# Altium PCB Fastino-DIOT.PCBDOC (part 21 of 22) (continued)
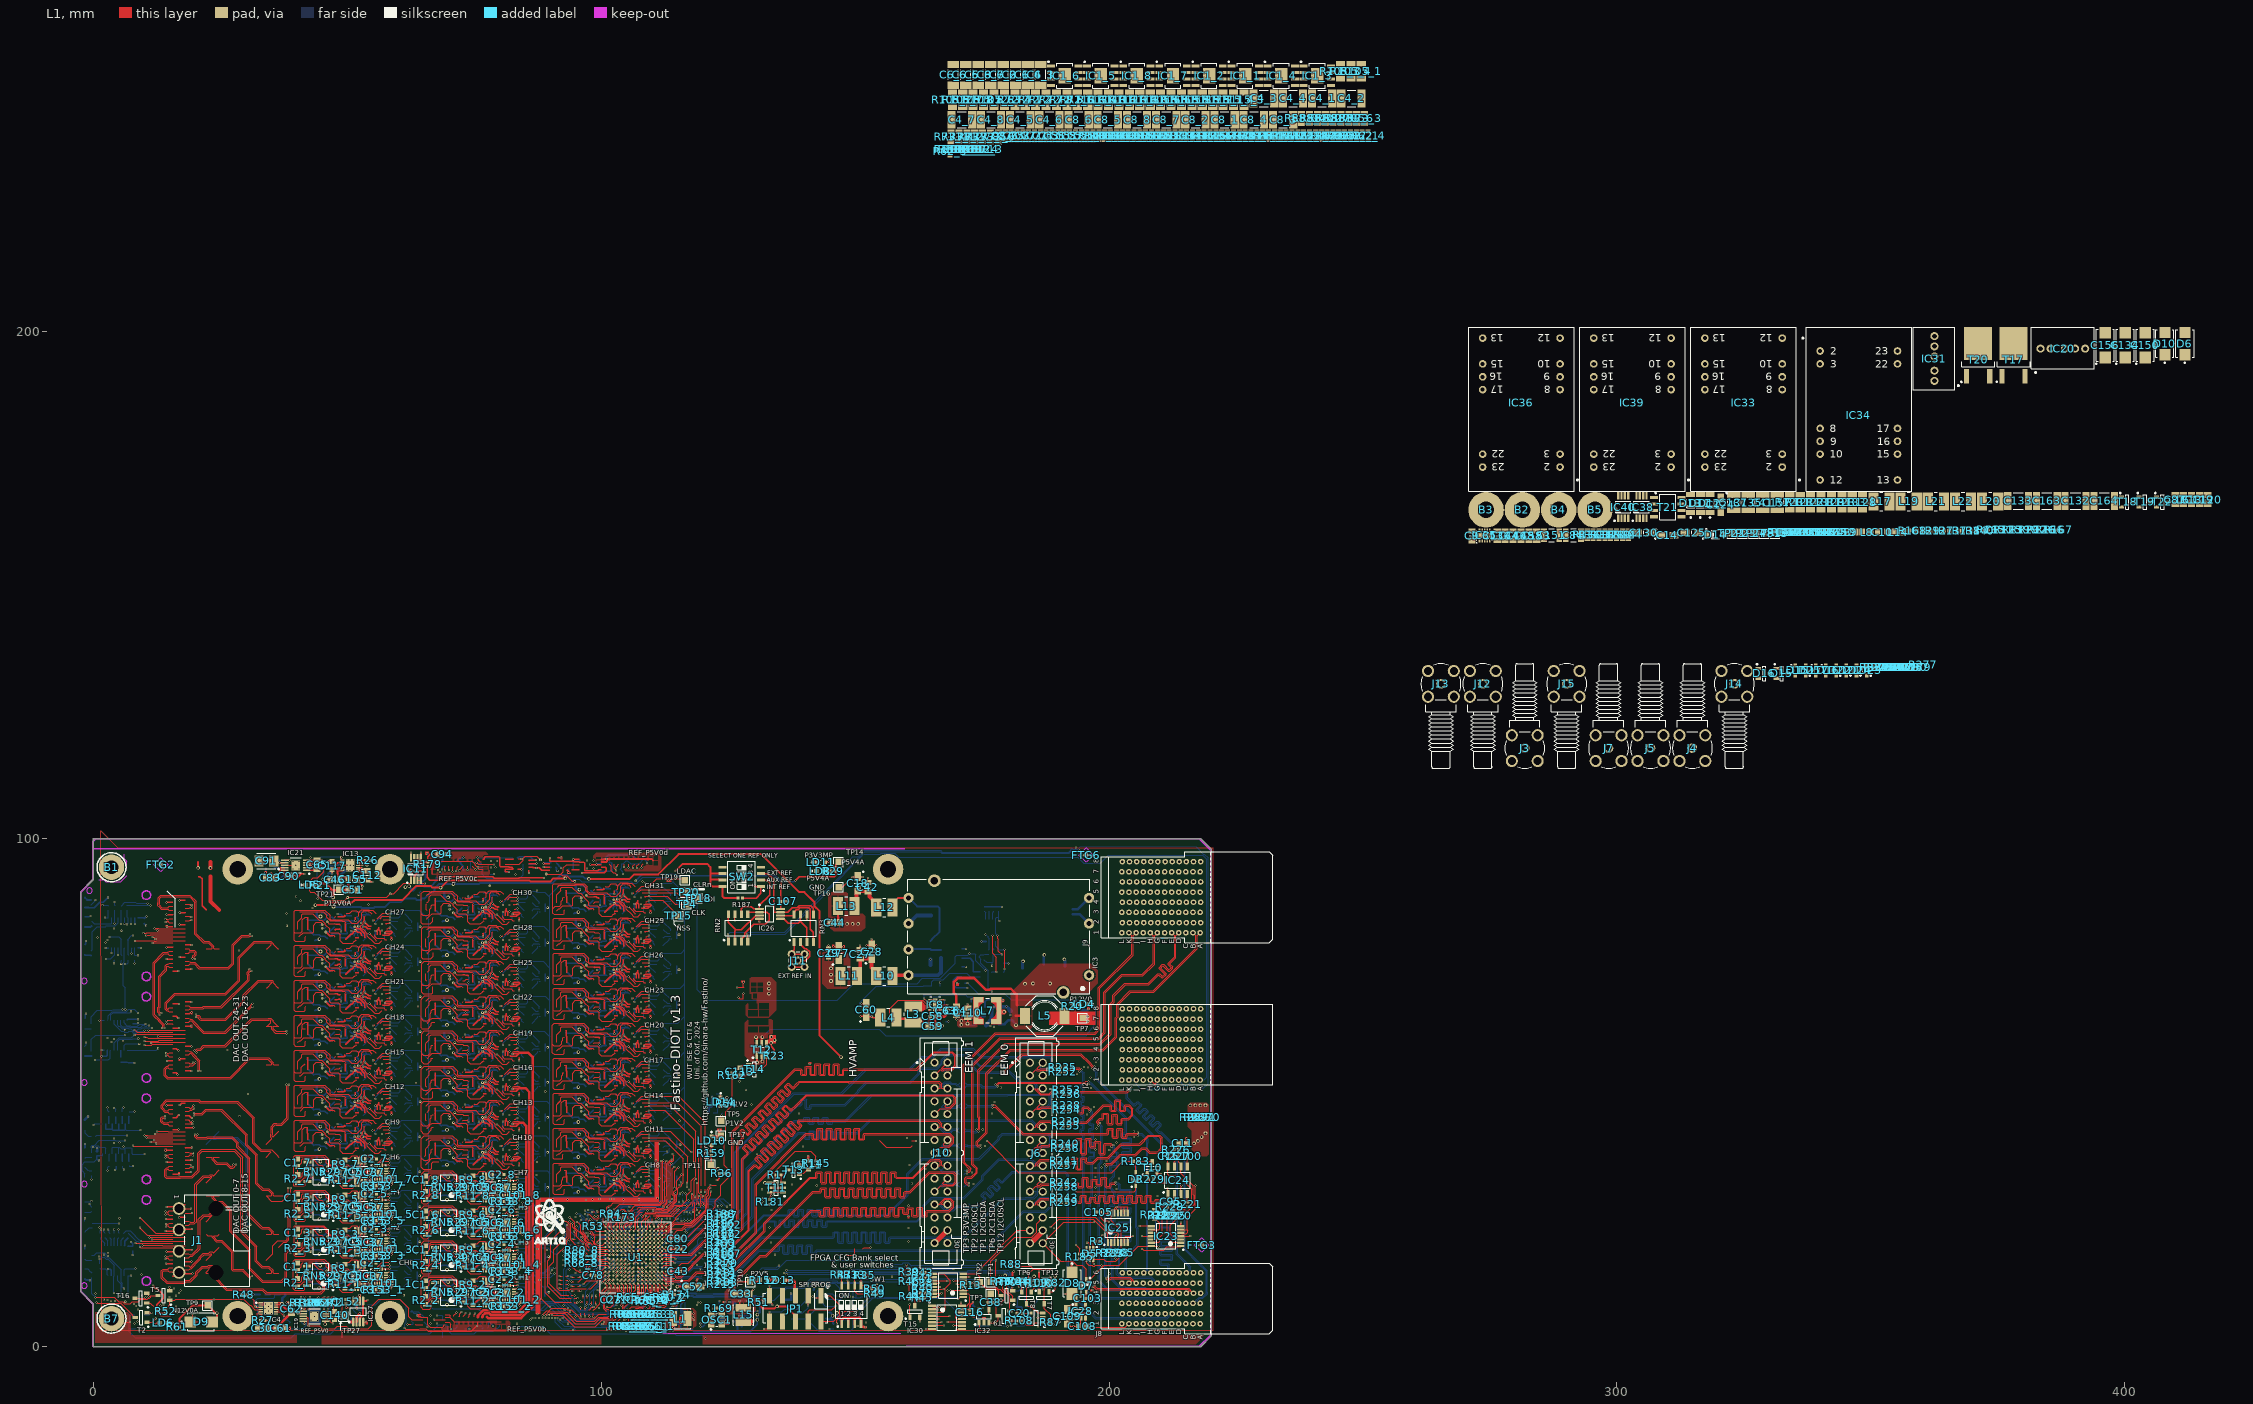
[diagram p0: L1 view]
## Nets (pads, with @x,y where several pads share a name; then routed paths per layer and width w, separated by ;. In a path a pad name is that pad's centre, name@x,y a point inside that pad or via, vN(x,y) a via of type N, cw(c..) or ccw(c..) an arc to the next point about the centre after c; other vN are vias at no path point) (continued)
77.837,39.04 77.837,39.624 77.936,39.723 ; v1(77.809,45.899) 77.837,45.927 77.837,46.511 77.936,46.61 ; v1(77.809,52.785) 77.837,52.813 77.837,53.398 77.936,53.497 ; v1(77.809,59.672) 77.837,59.7 77.837,60.284 77.936,60.383 ; v1(77.809,66.559) 77.837,66.587 77.837,67.171 77.936,67.27 ; v1(77.809,73.428) 77.837,73.456 77.837,74.04 77.936,74.139 ; v1(77.809,80.314) 77.837,80.342 77.837,80.927 77.936,81.026 ; v1(77.809,87.201) 77.837,87.229 77.837,87.813 77.936,87.912 ; 78.114,40.739 78.114,40.654 78.119,40.649 79.421,40.649 ; 78.114,47.626 78.114,47.541 78.119,47.535 79.421,47.535 ; 78.114,54.513 78.114,54.427 78.119,54.422 79.421,54.422 ; 78.114,61.399 78.114,61.314 78.119,61.309 79.421,61.309 ; 78.114,68.286 78.114,68.2 78.119,68.195 79.421,68.195 ; 78.114,75.155 78.114,75.07 78.119,75.064 79.42,75.064 ; 78.114,82.042 78.114,81.956 78.119,81.951 79.42,81.951 ; 78.114,88.928 78.114,88.843 78.119,88.838 79.42,88.838 ; v1(78.19,38.25) 78.162,38.222 78.162,37.765 77.936,37.539 77.936,36.777 78.292,36.421 78.475,36.604 78.475,37.112 78.633,37.271 78.633,37.652 78.774,37.793 ; v1(78.19,45.137) 78.162,45.109 78.162,44.652 77.936,44.426 77.936,43.664 78.292,43.308 78.475,43.491 78.475,43.999 78.633,44.158 78.633,44.539 78.774,44.68 ; v1(78.19,52.023) 78.162,51.996 78.162,51.538 77.936,51.312 77.936,50.55 78.292,50.195 78.475,50.378 78.475,50.886 78.633,51.044 78.633,51.425 78.774,51.566 ; v1(78.19,58.91) 78.162,58.882 78.162,58.425 77.936,58.199 77.936,57.437 78.292,57.081 78.475,57.264 78.475,57.772 78.633,57.931 78.633,58.312 78.774,58.453 ; v1(78.19,65.797) 78.162,65.769 78.162,65.311 77.936,65.085 77.936,64.323 78.292,63.968 78.475,64.151 78.475,64.659 78.633,64.817 78.633,65.198 78.774,65.339 ; v1(78.19,72.666) 78.162,72.638 78.162,72.181 77.936,71.955 77.936,71.193 78.291,70.837 78.474,71.02 78.474,71.528 78.633,71.687 78.633,72.068 78.774,72.209 ; v1(78.19,79.552) 78.162,79.524 78.162,79.067 77.936,78.841 77.936,78.079 78.291,77.724 78.474,77.907 78.474,78.415 78.633,78.573 78.633,78.954 78.774,79.095 ; v1(78.19,86.439) 78.162,86.411 78.162,85.954 77.936,85.728 77.936,84.966 78.291,84.61 78.474,84.793 78.474,85.301 78.633,85.46 78.633,85.841 78.774,85.982 ; 80.603,36.091 80.65,36.139 80.65,36.189 80.65,37.39 v3(80.65,37.422) ; 80.603,42.978 80.65,43.025 80.65,43.076 80.65,44.277 v3(80.65,44.308) ; 80.603,49.864 80.65,49.912 80.65,49.963 80.65,51.163 v3(80.65,51.195) ; 80.603,56.751 80.65,56.798 80.65,56.849 80.65,58.05 v3(80.65,58.082) ; 80.603,63.638 80.65,63.685 80.65,63.736 80.65,64.936 v3(80.65,64.968) ; 80.603,70.507 80.65,70.554 80.65,70.605 80.65,71.806 v3(80.65,71.837) ; 80.603,77.393 80.65,77.441 80.65,77.492 80.65,78.692 v3(80.65,78.724) ; 80.603,84.28 80.65,84.327 80.65,84.378 80.65,85.579 v3(80.65,85.611) ; 83.465,96.15 83.465,96.17 83.628,96.333 83.648,96.333 83.819,96.504 86.013,96.504 86.614,95.903 ; 86.614,96.02 86.797,95.837 87.119,95.837 v1(87.147,95.809) ; v1(88.608,95.167) 88.648,95.167 88.782,95.301 90.183,95.301 ; 88.96,37.488 88.993,37.521 88.993,38.276 ; 88.96,44.375 88.993,44.408 88.993,45.162 ; 88.96,51.261 88.993,51.295 88.993,52.049 ; 88.96,58.148 88.993,58.181 88.993,58.935 ; 88.96,65.035 88.993,65.068 88.993,65.822 ; 88.959,71.904 88.993,71.937 88.993,72.691 ; 88.959,78.79 88.993,78.824 88.993,79.578 ; 88.959,85.677 88.993,85.71 88.993,86.464 ; 88.993,39.004 88.993,38.276 ; 88.993,45.891 88.993,45.162 ; 88.993,52.777 88.993,52.049 ; 88.993,59.664 88.993,58.935 ; 88.993,66.551 88.993,65.822 ; 88.993,73.42 88.993,72.691 ; 88.993,80.306 88.993,79.578 ; 88.993,87.193 88.993,86.464 ; v2(89.442,38.25) 89.018,38.25 88.993,38.276 ; v2(89.442,45.137) 89.018,45.137 88.993,45.162 ; v2(89.442,52.023) 89.018,52.023 88.993,52.049 ; v2(89.442,58.91) 89.018,58.91 88.993,58.935 ; v2(89.442,65.797) 89.018,65.797 88.993,65.822 ; v2(89.442,72.666) 89.018,72.666 88.993,72.691 ; v2(89.442,79.552) 89.018,79.552 88.993,79.578 ; v2(89.442,86.439) 89.018,86.439 88.993,86.464 ; 91.123,95.301 91.123,95.281 91.286,95.118 91.306,95.118 91.626,94.797 91.626,94.791 91.667,94.751 91.667,94.708 v1(92.108,94.267) ; 93.168,32.331 93.235,32.265 93.38,32.265 94.479,31.166 94.489,31.166 ; 93.168,39.218 93.235,39.152 93.38,39.152 94.479,38.052 94.489,38.052 ; 93.168,46.104 93.235,46.038 93.38,46.038 94.479,44.939 94.489,44.939 ; 93.168,52.991 93.235,52.925 93.38,52.925 94.479,51.825 94.489,51.825 ; 93.168,59.878 93.235,59.811 93.38,59.811 94.479,58.712 94.489,58.712 ; 93.168,66.764 93.235,66.698 93.38,66.698 94.479,65.599 94.489,65.599 ; 93.168,73.651 93.235,73.584 93.38,73.584 94.479,72.485 94.489,72.485 ; 93.168,80.537 93.235,80.471 93.38,80.471 94.479,79.372 94.489,79.372 ; 93.168,87.424 93.235,87.358 93.38,87.358 94.479,86.258 94.489,86.258 ; 93.194,34.16 96.445,34.16 96.826,34.541 ; 93.194,41.047 96.445,41.047 96.826,41.428 ; 93.194,47.933 96.445,47.933 96.826,48.314 ; 93.194,54.82 96.445,54.82 96.826,55.201 ; 93.194,61.706 96.445,61.706 96.826,62.087 ; 93.194,68.593 96.445,68.593 96.826,68.974 ; 93.194,75.48 96.445,75.48 96.826,75.861 ; 93.194,82.366 96.445,82.366 96.826,82.747 ; 93.194,89.253 96.445,89.253 96.826,89.634 ; 94.565,31.341 95.47,31.341 95.811,31 96.598,31 97.096,30.502 ; 94.565,38.227 95.47,38.227 95.811,37.887 96.598,37.887 97.096,37.389 ; 94.565,45.114 95.47,45.114 95.811,44.774 96.598,44.774 97.096,44.276 ; 94.565,52 95.47,52 95.811,51.66 96.598,51.66 97.096,51.162 ; 94.565,58.887 95.47,58.887 95.811,58.547 96.598,58.547 97.096,58.049 ; 94.565,65.774 95.47,65.774 95.811,65.433 96.598,65.433 97.096,64.935 ; 94.565,72.66 95.47,72.66 95.811,72.32 96.598,72.32 97.096,71.822 ; 94.565,79.547 95.47,79.547 95.811,79.207 96.598,79.207 97.096,78.709 ; 94.565,86.433 95.47,86.433 95.811,86.093 96.598,86.093 97.096,85.595 ; 95.892,35.656 96.545,35.656 97.101,35.1 97.232,35.1 ; 95.892,42.542 96.545,42.542 97.101,41.986 97.232,41.986 ; 95.892,49.429 96.545,49.429 97.101,48.873 97.232,48.873 ; 95.892,56.316 96.545,56.316 97.101,55.76 97.232,55.76 ; 95.892,63.202 96.545,63.202 97.101,62.646 97.232,62.646 ; 95.892,70.089 96.545,70.089 97.101,69.533 97.232,69.533 ; 95.892,76.975 96.545,76.975 97.101,76.419 97.232,76.419 ; 95.892,83.862 96.545,83.862 97.101,83.306 97.232,83.306 ; 95.892,90.749 96.545,90.749 97.101,90.193 97.232,90.193 ; v1(96.19,93.269) 98.844,93.269 99.183,93.607 101.798,93.607 102.121,93.93 102.121,93.98 102.073,94.028 102.073,95.184 101.93,95.326 ; v2(96.775,31.849) 97.462,31.849 98.401,32.788 98.401,32.839 ; v2(96.775,38.735) 97.462,38.735 98.401,39.674 98.401,39.726 ; v2(96.775,45.622) 97.462,45.622 98.401,46.561 98.401,46.612 ; v2(96.775,52.508) 97.462,52.508 98.401,53.447 98.401,53.499 ; v2(96.775,59.395) 97.462,59.395 98.401,60.334 98.401,60.386 ; v2(96.775,66.282) 97.462,66.282 98.401,67.221 98.401,67.272 ; v2(96.775,73.168) 97.462,73.168 98.401,74.107 98.401,74.159 ; v2(96.775,80.055) 97.462,80.055 98.401,80.994 98.401,81.045 ; v2(96.775,86.941) 97.462,86.941 98.401,87.88 98.401,87.932 ; 97.537,30.883 97.537,30.96 98.35,31.772 99.198,31.772 99.467,31.504 100.936,31.504 101.003,31.571 101.003,31.772 ; 97.537,37.77 97.537,37.846 98.35,38.659 99.198,38.659 99.467,38.39 100.936,38.39 101.003,38.457 101.003,38.659 ; 97.537,44.657 97.537,44.733 98.081,45.277 100.936,45.277 101.003,45.344 101.003,45.546 ; 97.537,51.543 97.537,51.619 98.081,52.163 100.936,52.163 101.003,52.23 101.003,52.432 ; 97.537,58.43 97.537,58.506 98.04,59.008 99.963,59.008 100.157,59.203 100.936,59.203 101.003,59.27 101.003,59.319 ; 97.537,65.316 97.537,65.393 98.034,65.89 99.843,65.89 100.042,66.089 100.936,66.089 101.003,66.156 101.003,66.205 ; 97.537,72.203 97.537,72.279 98.35,73.092 101.003,73.092 101.042,73.092 101.093,73.041 ; 97.537,79.09 97.537,79.166 98.04,79.668 99.963,79.668 100.157,79.863 100.936,79.863 101.003,79.929 101.003,79.979 ; 97.537,85.976 97.537,86.052 98.034,86.55 99.963,86.55 100.162,86.749 100.936,86.749 101.003,86.816 101.003,86.865 ; 97.867,34.719 98.032,34.719 98.784,33.967 101.235,33.967 101.245,33.977 101.672,33.977 101.855,34.16 ; 97.867,41.605 98.032,41.605 98.784,40.853 101.235,40.853 101.245,40.864 101.672,40.864 101.855,41.047 ; 97.867,48.492 98.032,48.492 98.784,47.74 101.235,47.74 101.245,47.75 101.672,47.75 101.855,47.933 ; 97.867,55.379 98.032,55.379 98.784,54.627 101.235,54.627 101.245,54.637 101.672,54.637 101.855,54.82 ; 97.867,62.265 98.032,62.265 98.784,61.513 101.235,61.513 101.245,61.523 101.672,61.523 101.855,61.706 ; 97.867,69.152 98.032,69.152 98.784,68.4 101.235,68.4 101.245,68.41 101.672,68.41 101.855,68.593 ; 97.867,76.038 98.032,76.038 98.784,75.286 101.235,75.286 101.245,75.297 101.672,75.297 101.855,75.48 ; 97.867,82.925 98.032,82.925 98.784,82.173 101.235,82.173 101.245,82.183 101.672,82.183 101.855,82.366 ; 97.867,89.812 98.032,89.812 98.784,89.06 101.235,89.06 101.245,89.07 101.672,89.07 101.855,89.253 ; v1(99.061,35.405) 99.101,35.405 99.162,35.344 99.732,35.344 100.23,34.846 ; v1(99.061,42.291) 99.101,42.291 99.162,42.23 99.732,42.23 100.23,41.732 ; v1(99.061,49.178) 99.101,49.178 99.162,49.117 99.732,49.117 100.23,48.619 ; v1(99.061,56.064) 99.101,56.064 99.162,56.004 99.732,56.004 100.23,55.506 ; v1(99.061,62.951) 99.101,62.951 99.162,62.89 99.732,62.89 100.23,62.392 ; v1(99.061,69.838) 99.101,69.838 99.162,69.777 99.732,69.777 100.23,69.279 ; v1(99.061,76.724) 99.101,76.724 99.162,76.663 99.732,76.663 100.23,76.165 ; v1(99.061,83.611) 99.101,83.611 99.162,83.55 99.732,83.55 100.23,83.052 ; v1(99.061,90.497) 99.101,90.497 99.162,90.437 99.732,90.437 100.23,89.939 ; v1(99.128,74.184) 99.732,74.184 99.849,74.3 99.849,74.413 ; v1(99.655,59.462) 99.655,59.502 99.732,59.579 99.732,60.191 99.849,60.307 ; v1(99.655,66.344) 99.655,66.383 99.732,66.461 99.732,67.41 99.849,67.526 ; v1(99.655,31.958) 99.655,31.997 99.732,32.074 99.732,32.977 99.849,33.093 ; v1(99.655,38.844) 99.655,38.884 99.732,38.961 99.732,39.864 99.849,39.98 ; 99.747,30.782 99.772,30.756 101.119,30.756 101.455,31.092 101.534,31.092 101.683,31.241 101.683,31.501 101.802,31.621 101.802,32.079 v1@101.829,32.106 ; 99.747,37.668 99.772,37.643 101.119,37.643 ; 99.747,44.555 99.772,44.53 101.119,44.53 ; 99.747,51.442 99.772,51.416 101.119,51.416 101.455,51.752 101.534,51.752 101.683,51.901 101.683,52.161 101.802,52.28 101.802,52.729 v1@101.829,52.756 ; 99.747,58.328 99.772,58.303 101.119,58.303 101.455,58.639 101.534,58.639 101.683,58.788 101.683,59.048 101.802,59.167 101.802,59.612 v1@101.829,59.639 ; 99.747,65.215 99.772,65.189 101.119,65.189 ; 99.747,72.101 99.772,72.076 101.119,72.076 ; 99.747,78.988 99.772,78.963 101.119,78.963 101.455,79.299 101.534,79.299 101.683,79.447 101.683,80.071 101.854,80.243 v1@101.854,80.289 ; 99.747,85.875 99.772,85.849 101.119,85.849 ; v1(99.775,45.731) 99.775,46.67 99.852,46.747 ; v1(99.775,52.617) 99.775,53.554 99.852,53.631 ; v1(99.775,80.122) 99.775,81.107 99.852,81.184 ; v1(99.775,87.004) 99.775,87.993 99.852,88.07 ; 100.915,35.303 100.915,35.147 101.003,35.06 101.855,35.06 ; 100.915,42.19 100.915,42.034 101.003,41.947 101.855,41.947 ; 100.915,49.076 100.915,48.92 101.003,48.833 101.855,48.833 ; 100.915,55.963 100.915,55.807 101.003,55.72 101.855,55.72 ; 100.915,62.849 100.915,62.694 101.003,62.606 101.855,62.606 ; 100.915,69.736 100.915,69.58 101.003,69.493 101.855,69.493 ; 100.915,76.623 100.915,76.467 101.003,76.38 101.855,76.38 ; 100.915,83.509 100.915,83.353 101.003,83.266 101.855,83.266 ; 100.915,90.396 100.915,90.24 101.003,90.153 101.855,90.153 ; 101.093,30.706 101.131,30.744 ; 101.093,37.592 101.267,37.766 ; 101.093,44.479 101.267,44.653 ; 101.093,51.365 101.131,51.404 ; 101.093,58.252 101.131,58.29 ; 101.093,65.139 101.267,65.313 ; 101.093,72.025 101.267,72.199 ; 101.093,78.912 101.131,78.95 ; 101.093,85.798 101.267,85.973 ; 101.322,37.821 101.524,37.821 101.683,37.979 101.683,38.415 101.802,38.534 101.802,38.885 v1@101.855,38.938 ; 101.322,44.707 101.524,44.707 101.683,44.866 101.683,45.301 101.802,45.42 101.802,45.772 v1@101.855,45.825 ; 101.322,65.367 101.524,65.367 101.683,65.525 101.683,65.961 101.802,66.08 101.802,66.431 v1@101.855,66.485 ; 101.322,72.254 101.524,72.254 101.683,72.412 101.683,72.848 101.802,72.967 101.802,73.318 v1@101.855,73.371 ; 101.322,86.027 101.524,86.027 101.683,86.185 101.683,86.621 101.802,86.74 101.802,87.091 v1@101.855,87.145 ; 101.524,95.184 101.798,95.458 ; 101.652,32.738 101.833,32.557 102.085,32.557 102.281,32.361 102.293,32.361 102.474,32.179 v2(102.541,32.179) ; 101.652,39.624 101.833,39.444 102.085,39.444 102.281,39.247 102.293,39.247 102.474,39.065 v2(102.541,39.065) ; 101.652,46.511 101.833,46.33 102.085,46.33 102.281,46.134 102.293,46.134 102.474,45.952 v2(102.541,45.952) ; 101.652,53.397 101.833,53.217 102.085,53.217 102.281,53.02 102.293,53.02 102.474,52.839 v2(102.541,52.839) ; 101.652,60.284 101.833,60.103 102.085,60.103 102.281,59.907 102.293,59.907 102.474,59.725 v2(102.541,59.725) ; 101.652,67.171 101.833,66.99 102.085,66.99 102.281,66.794 102.293,66.794 102.474,66.612 v2(102.541,66.612) ; 101.652,74.057 101.833,73.876 102.085,73.876 102.281,73.68 102.293,73.68 102.474,73.498 v2(102.541,73.498) ; 101.652,80.944 101.833,80.763 102.085,80.763 102.281,80.567 102.293,80.567 102.474,80.385 v2(102.541,80.385) ; 101.652,87.83 101.833,87.65 102.085,87.65 102.281,87.453 102.293,87.453 102.474,87.272 v2(102.541,87.272) ; 101.83,34.058 101.858,34.086 102.589,34.086 v1(102.617,34.058) ; 101.83,40.945 101.858,40.973 102.589,40.973 v1(102.617,40.945) ; 101.83,47.832 101.858,47.86 102.589,47.86 v1(102.617,47.832) ; 101.83,54.718 101.858,54.746 102.589,54.746 v1(102.617,54.718) ; 101.83,61.605 101.858,61.633 102.589,61.633 v1(102.617,61.605) ; 101.83,68.491 101.858,68.519 102.589,68.519 v1(102.617,68.491) ; 101.83,75.378 101.858,75.406 102.589,75.406 v1(102.617,75.378) ; 101.83,82.265 101.858,82.292 102.589,82.292 v1(102.617,82.265) ; 101.83,89.151 101.858,89.179 102.589,89.179 v1(102.617,89.151) ; v1(103.684,33.652) 103.712,33.68 103.712,34.264 103.811,34.363 ; v1(103.684,40.539) 103.712,40.567 103.712,41.151 103.811,41.25 ; v1(103.684,47.425) 103.712,47.453 103.712,48.037 103.811,48.136 ; v1(103.684,54.312) 103.712,54.34 103.712,54.924 103.811,55.023 ; v1(103.684,61.198) 103.712,61.226 103.712,61.811 103.811,61.91 ; v1(103.684,68.085) 103.712,68.113 103.712,68.697 103.811,68.796 ; v1(103.684,74.972) 103.712,74.999 103.712,75.584 103.811,75.683 ; v1(103.684,81.858) 103.712,81.886 103.712,82.47 103.811,82.569 ; v1(103.684,88.745) 103.712,88.773 103.712,89.357 103.811,89.456 ; 103.989,35.379 103.989,35.294 103.994,35.289 105.296,35.289 ; 103.989,42.266 103.989,42.18 103.994,42.175 105.296,42.175 ; 103.989,49.152 103.989,49.067 103.994,49.062 105.296,49.062 ; 103.989,56.039 103.989,55.954 103.994,55.948 105.296,55.948 ; 103.989,62.926 103.989,62.84 103.994,62.835 105.296,62.835 ; 103.989,69.812 103.989,69.727 103.994,69.722 105.296,69.722 ; 103.989,76.699 103.989,76.613 103.994,76.608 105.296,76.608 ; 103.989,83.585 103.989,83.5 103.994,83.495 105.296,83.495 ; 103.989,90.472 103.989,90.387 103.994,90.381 105.296,90.381 ; v1(104.065,32.89) 104.037,32.862 104.037,32.405 103.811,32.179 103.811,31.417 104.167,31.061 104.35,31.244 104.35,31.752 104.508,31.911 104.508,32.292 104.649,32.433 ; v1(104.065,39.777) 104.037,39.749 104.037,39.291 103.811,39.065 103.811,38.303 104.167,37.948 104.35,38.131 104.35,38.639 104.508,38.797 104.508,39.178 104.649,39.319 ; v1(104.065,46.663) 104.037,46.635 104.037,46.178 103.811,45.952 103.811,45.19 104.167,44.834 104.35,45.017 104.35,45.525 104.508,45.684 104.508,46.065 104.649,46.206 ; v1(104.065,53.55) 104.037,53.522 104.037,53.065 103.811,52.839 103.811,52.077 104.167,51.721 104.35,51.904 104.35,52.412 104.508,52.571 104.508,52.952 104.649,53.093 ; v1(104.065,60.436) 104.037,60.408 104.037,59.951 103.811,59.725 103.811,58.963 104.167,58.608 104.35,58.791 104.35,59.299 104.508,59.457 104.508,59.838 104.649,59.979 ; v1(104.065,67.323) 104.037,67.295 104.037,66.838 103.811,66.612 103.811,65.85 104.167,65.494 104.35,65.677 104.35,66.185 104.508,66.344 104.508,66.725 104.649,66.866 ; v1(104.065,74.21) 104.037,74.182 104.037,73.724 103.811,73.498 103.811,72.736 104.167,72.381 104.35,72.564 104.35,73.072 104.508,73.23 104.508,73.611 104.649,73.752 ; v1(104.065,81.096) 104.037,81.068 104.037,80.611 103.811,80.385 103.811,79.623 104.167,79.267 104.35,79.45 104.35,79.958 104.508,80.117 104.508,80.498 104.649,80.639 ; v1(104.065,87.983) 104.037,87.955 104.037,87.498 103.811,87.272 103.811,86.51 104.167,86.154 104.35,86.337 104.35,86.845 104.508,87.003 104.508,87.384 104.649,87.526 ; 106.478,30.731 106.525,30.778 106.525,30.829 106.525,32.03 v3(106.525,32.062) ; 106.478,37.618 106.525,37.665 106.525,37.716 106.525,38.916 v3(106.525,38.948) ; 106.478,44.504 106.525,44.552 106.525,44.602 106.525,45.803 v3(106.525,45.835) ; 106.478,51.391 106.525,51.438 106.525,51.489 106.525,52.69 v3(106.525,52.721) ; 106.478,58.277 106.525,58.325 106.525,58.376 106.525,59.576 v3(106.525,59.608) ; 106.478,65.164 106.525,65.211 106.525,65.262 106.525,66.463 v3(106.525,66.495) ; 106.478,72.051 106.525,72.098 106.525,72.149 106.525,73.349 v3(106.525,73.381) ; 106.478,78.937 106.525,78.985 106.525,79.035 106.525,80.236 v3(106.525,80.268) ; 106.478,85.824 106.525,85.871 106.525,85.922 106.525,87.123 v3(106.525,87.154) ; 114.835,32.128 114.78,32.128 114.741,32.167 114.741,32.621 114.764,32.644 114.868,32.644 114.868,33.144 114.868,33.644 ; 114.835,39.015 114.78,39.015 114.741,39.054 114.741,39.508 114.764,39.531 114.868,39.531 114.868,39.802 ; 114.835,45.901 114.868,45.934 114.868,46.689 ; 114.835,52.788 114.868,52.821 114.868,53.575 ; 114.835,59.674 114.868,59.708 114.868,60.462 ; 114.835,66.561 114.868,66.594 114.868,67.348 ; 114.835,73.448 114.868,73.481 114.868,74.235 ; 114.835,80.334 114.868,80.367 114.868,81.122 ; 114.835,87.221 114.868,87.254 114.868,88.008 ; 114.868,40.531 114.868,39.802 ; 114.868,47.417 114.868,46.689 ; 114.868,54.304 114.868,53.575 ; 114.868,61.19 114.868,60.462 ; 114.868,68.077 114.868,67.348 ; 114.868,74.964 114.868,74.235 ; 114.868,81.85 114.868,81.122 ; 114.868,88.737 114.868,88.008 ; v2(115.317,46.663) 114.893,46.663 114.868,46.689 ; v2(115.317,53.55) 114.893,53.55 114.868,53.575 ; v2(115.317,60.436) 114.893,60.436 114.868,60.462 ; v2(115.317,67.323) 114.893,67.323 114.868,67.348 ; v2(115.317,74.21) 114.893,74.21 114.868,74.235 ; v2(115.317,81.096) 114.893,81.096 114.868,81.122 ; v2(115.317,87.983) 114.893,87.983 114.868,88.008 ; v2(115.525,39.75) 115.473,39.802 114.868,39.802